# Altium PCB 1CH_MtDrv_R01_V1-0924.PcbDoc
Units mm, origin at the board's own origin, x right, y up, seen from the top; angles counter-clockwise.
Board outline 92.84 x 52.32 mm, 4 copper layers (Top Layer, Layer 1, Layer 2, Bottom Layer), stack 0.603 mm thick; 91 components, 68 nets, 291 pads, 778 vias.
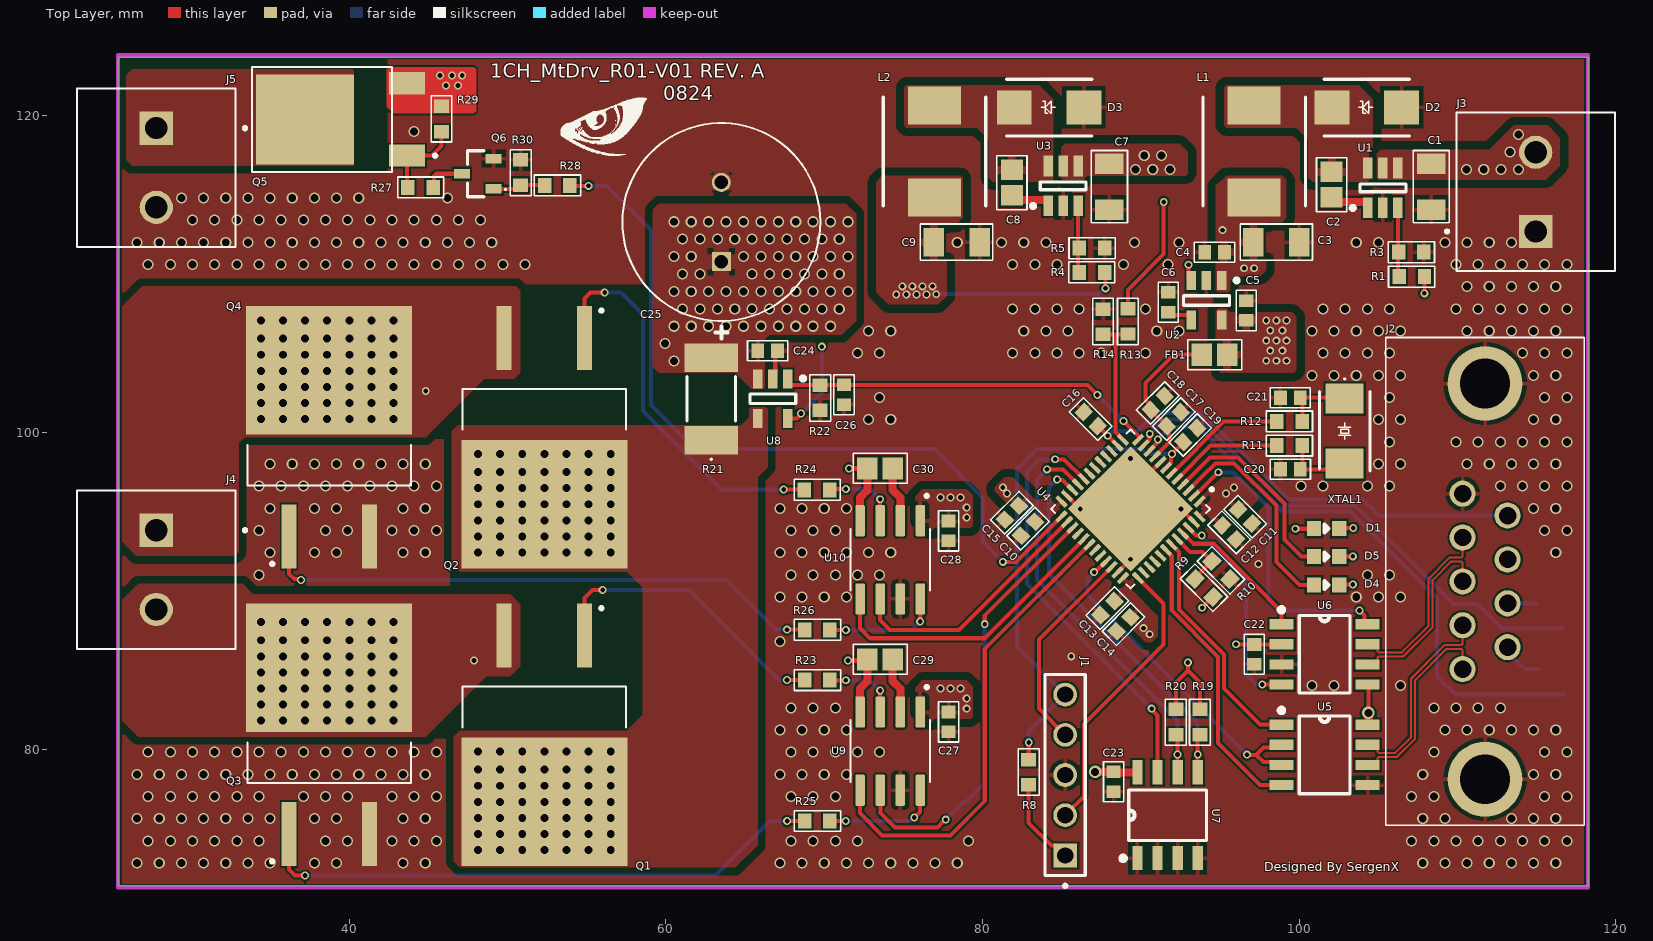
[diagram p0: Top Layer view]
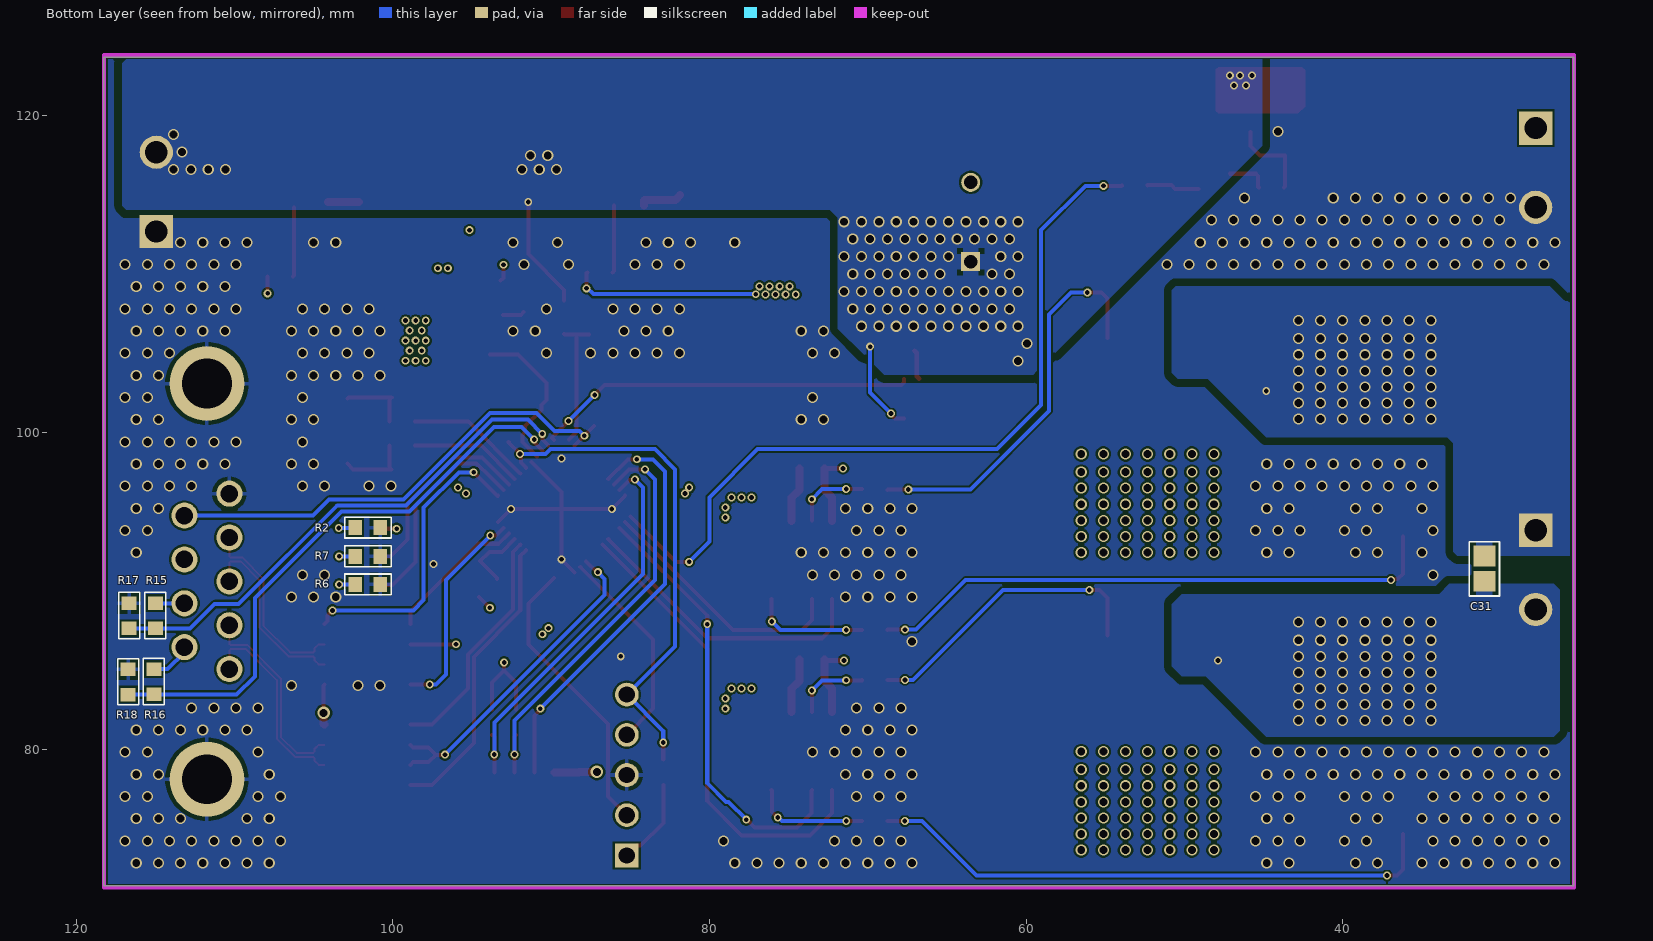
[diagram p1: Bottom Layer view, seen from below]
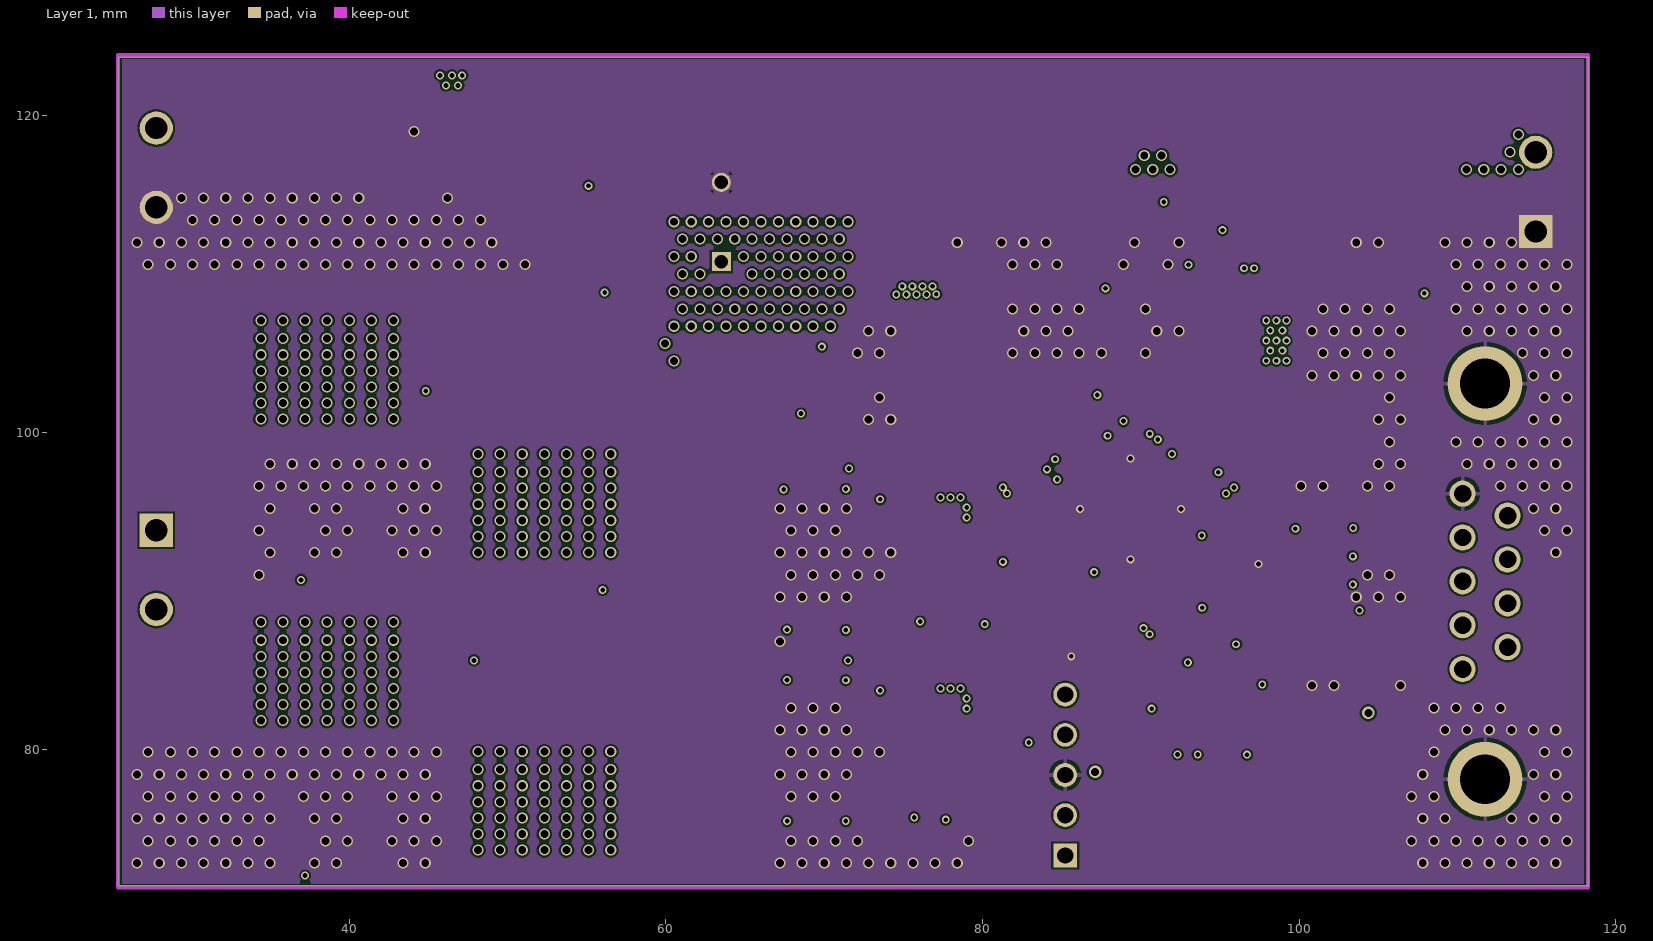
[diagram p2: Layer 1]
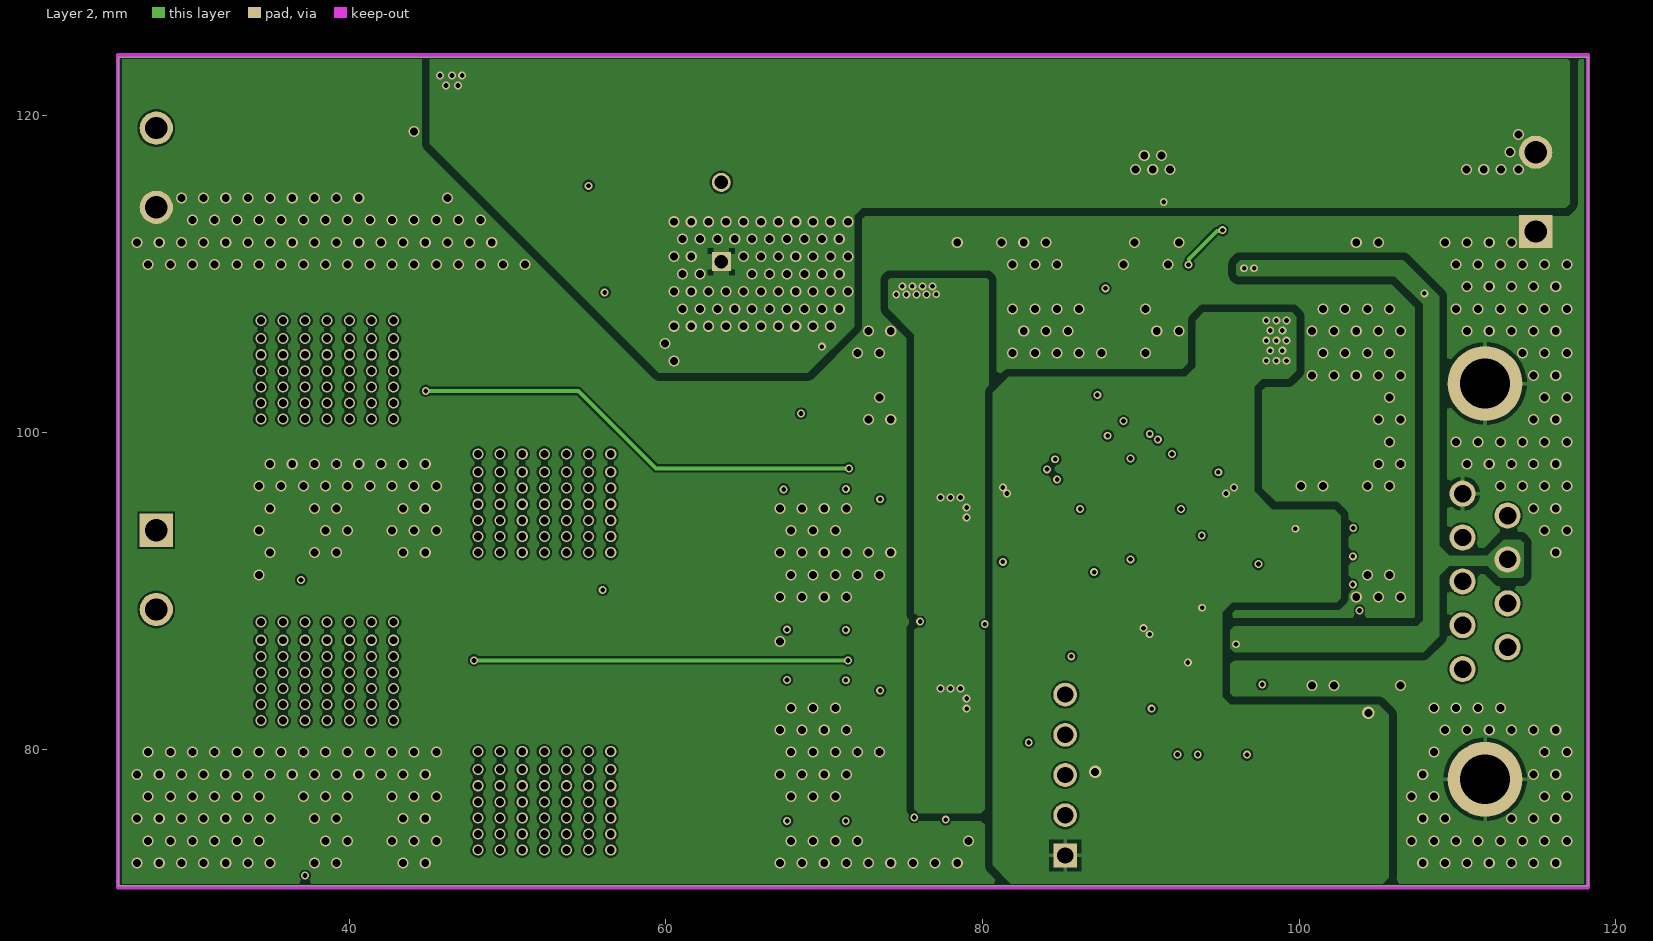
[diagram p3: Layer 2]
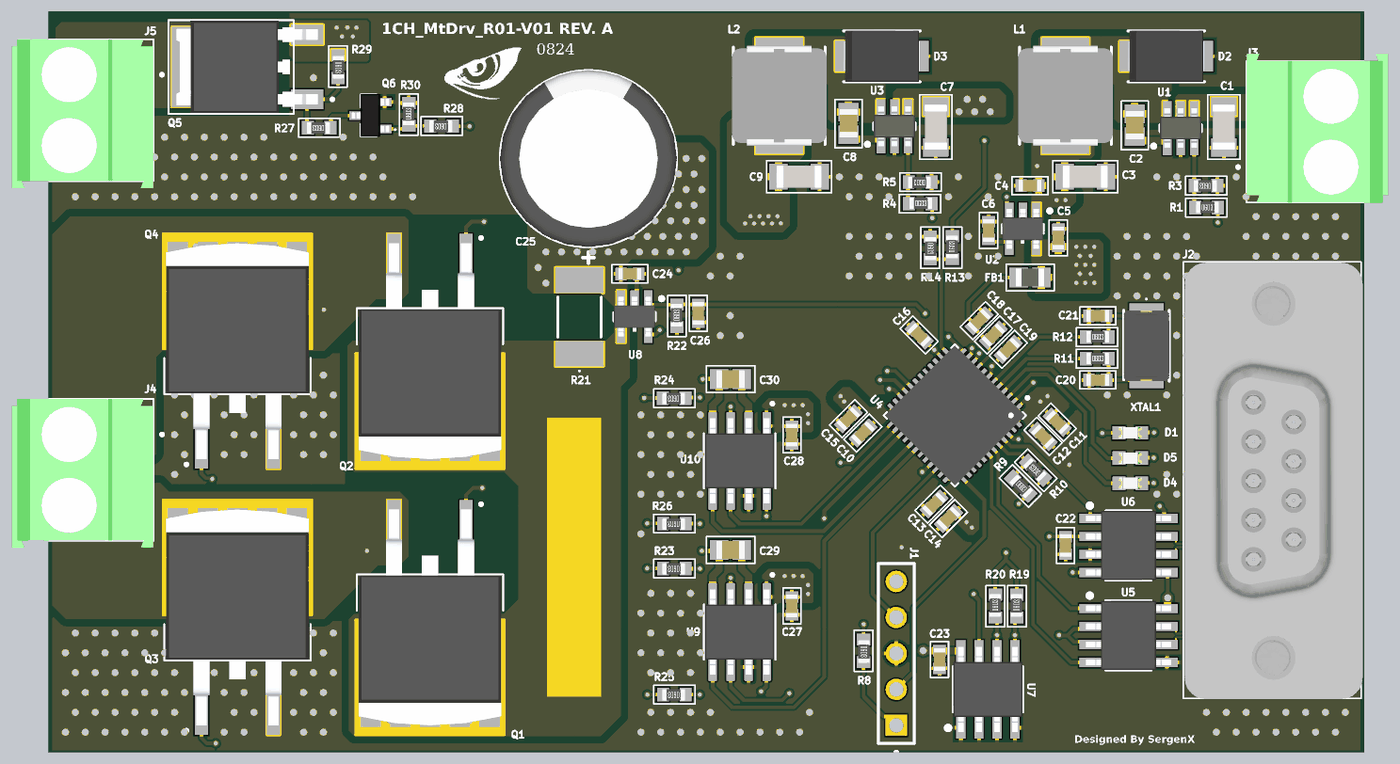
[diagram p4: 3D render of the assembled board from above, using the file's embedded part models]
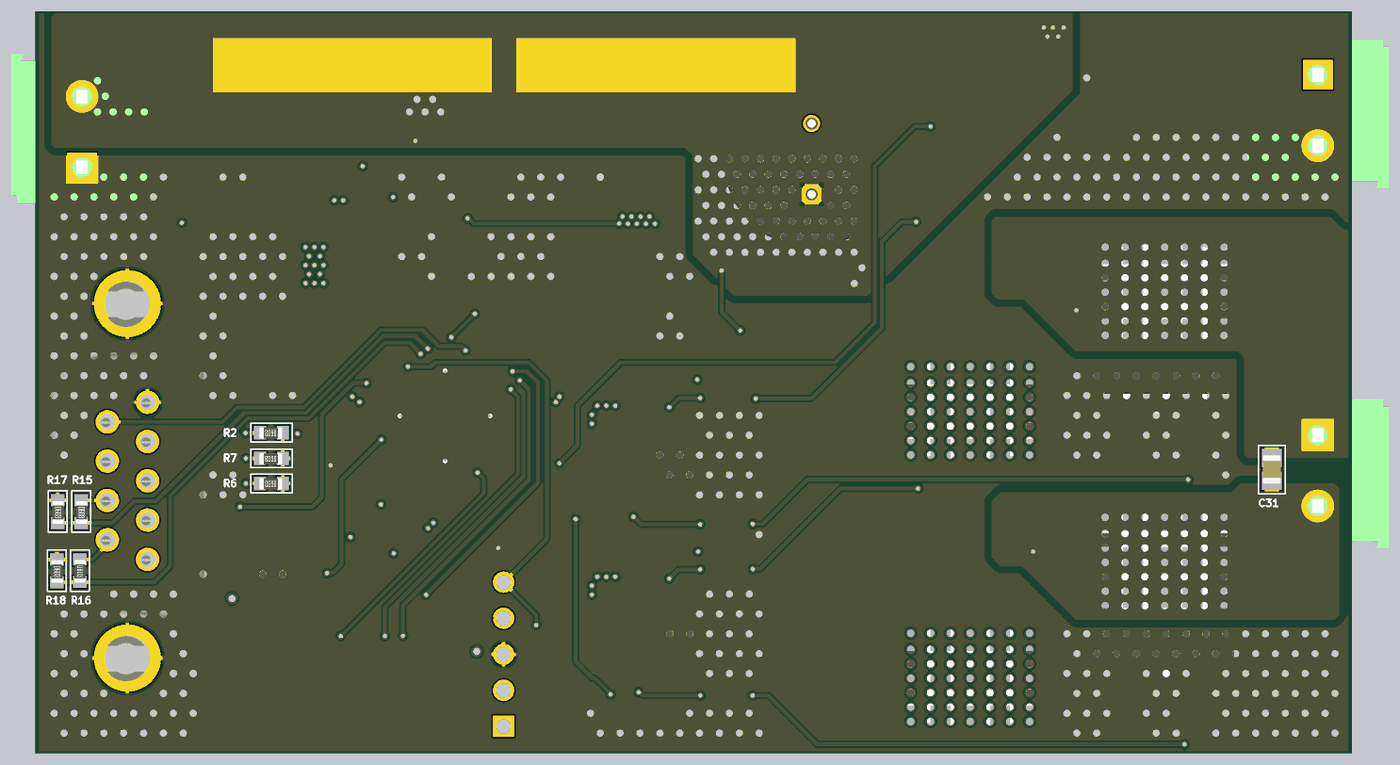
[diagram p5: 3D render of the assembled board from below, using the file's embedded part models]

## Layer stack, top to bottom
Top Solder: solder mask 0.0102, Solder Resist, Dk 3.5
Top Layer: signal copper 0.0356
Dielectric 2: prepreg 0.0711, PP-006, Dk 4.1
Layer 1: signal copper 0.035
Dielectric 1: dielectric 0.32, FR-4, Dk 4.8
Layer 2: signal copper 0.035
Dielectric 3: prepreg 0.0711, PP-006, Dk 4.1
Bottom Layer: signal copper 0.0356
Bottom Solder: solder mask 0.0102, Solder Resist, Dk 3.5

## Board outline
25.4,71.374 25.4,123.698 118.237,123.698 118.237,71.374

## Design rules (kind name [scope] priority, off if disabled: settings)
Clearance [All] p1: gap=0.127 ignorepadtopadclearanceinfootprint=FALSE except(0.508: Poly-Poly)
DiffPairsRouting [All] p1: maxlimit=0.127 minlimit=0.127 mostfreqgap=0.127 toplayer_minwidth=0.127 toplayer_maxwidth=0.127 toplayer_prefwidth=0.127 midlayer1_minwidth=0.057 midlayer1_maxwidth=0.057 midlayer1_prefwidth=0.057 midlayer2_minwidth=0.057 midlayer2_maxwidth=0.057 midlayer2_prefwidth=0.057 bottomlayer_minwidth=0.127 bottomlayer_maxwidth=0.127 bottomlayer_prefwidth=0.127 impedanceprofiledriven=TRUE impedanceprofileid={3A59F56B-0B61-40A3-A006-D7EEE08681E8} impedanceprofilevalue=90.000000 maxuncoupledlength=12.7
HoleSize [All] p1: absolutevalues=TRUE maxlimit=6.3 minlimit=0.3 maxpercent=80.000 minpercent=20.000
HoleToHoleClearance [All] p1: gap=0.127 allowstackedmicrovias=TRUE
MinimumSolderMaskSliver [All] p1: minsoldermaskwidth=0.01
PlaneClearance [InNet('GND')] p1: clearance=0.508
PolygonConnect [All] p1: connectstyle=Relief reliefconductorwidth=0.254 reliefentries=4 polygonreliefangle="90 Angle" airgapwidth=0.254
RoutingVias [All] p1: holewidth=0.3 width=0.5 viastyle="Through Hole" minholewidth=0.3 minwidth=0.5 maxholewidth=6.3 maxwidth=6.3
SilkToSilkClearance [All] p1: silktosilkclearance=0.15
SilkToSolderMaskClearance [IsPad] p1: minsilkscreentomaskgap=0.01 clearancetoexposedcopper=TRUE
SolderMaskExpansion [All] p1: expansion=0.102 istentingtop=FALSE
SupplyNets "Schematic Supply Nets_4" [InNet('GND')] p1: voltage=0.000
SupplyNets "Schematic Supply Nets_3" [InNet('+3v3')] p2: voltage=0.000
SupplyNets "Schematic Supply Nets_2" [InNet('+12V')] p3: voltage=0.000
SupplyNets "Schematic Supply Nets_1" [InNet('+VBUS')] p4: voltage=0.000
SupplyNets "Schematic Supply Nets" [InNet('+5V')] p5: voltage=0.000
Width [All] p1: maxlimit=6 minlimit=0.127 preferedwidth=0.254 toplayer_prefwidth=0.127 midlayer1_minwidth=0.254 midlayer1_maxwidth=0.254 midlayer2_minwidth=0.254 midlayer2_maxwidth=0.254 bottomlayer_prefwidth=0.127 minimp=50.000000 maximp=50.000000 favimp=50.000000
23 further rules are at their usual default settings.

## Classes and differential pairs
differential pair class RS485_DIFF: RS485
differential pair class CAN_DIFF: CAN
component class "Power Regulators": C1 C2 C3 C4 C5 C6 C7 C8 C9 D1 D2 D3 L1 L2 R1 R2 R3 R4 R5 U1 U2 U3
component class "Motor Drivers": C24 C25 C26 C27 C28 C29 C30 C31 J3 J4 J5 Q1 Q2 Q3 Q4 Q5 Q6 R21 R22 R23 R24 R25 R26 R27 R28 R29 R30 U8 U9 U10
component class "MCU Peripherals": C22 C23 J2 R13 R14 R15 R16 R17 R18 R19 R20 U5 U6 U7
component class "MCU And Peripherals": C10 C11 C12 C13 C14 C15 C16 C17 C18 C19 C20 C21 D4 D5 FB1 J1 R6 R7 R8 R9 R10 R11 R12 U4 XTAL1
differential pair RS485: +RS485_P -RS485_N
differential pair CAN: +CAN_P -CAN_N

## Components (designator, comment, footprint, x,y, rotation, side; value= is the part's Value field where it differs from the comment)
C1 "4.7 µF 50V" 1206_10uF 108.331,115.517 r270 top
C2 "0.1µF" 0805 101.981,115.57 r90 top
C3 "10µF 50V" 1206_10uF 98.552,112.014 r0 top
C4 "1µF" 0603_Footprint 94.649,111.379 r180 top
C5 "1µF" 0603_Footprint 96.647,107.696 r90 top
C6 "10nF" 0603_Footprint 91.728,108.214 r90 top
C7 "4.7 µF 50V" 1206_10uF 88.011,115.517 r270 top
C8 "0.1µF" 0805 81.788,115.697 r90 top
C9 "10µF 50V" 1206_10uF 78.359,112.014 r0 top
C10 "0.1µF" 0603_Footprint 82.867,93.916 r225 top
C11 "0.1µF" 0603_Footprint 96.581,94.681 r315 top
C12 "0.1µF" 0603_Footprint 95.574,93.679 r315 top
C13 "0.1µF" 0603_Footprint 87.884,88.9 r225 top
C14 "4.7µF" 0603_Footprint 88.9,87.884 r225 top
C15 "4.7µF" 0603_Footprint 81.849,94.923 r225 top
C16 "0.1µF" 0603_Footprint 86.827,100.838 r135 top
C17 "10nF" 0603_Footprint 92.075,100.838 r45 top
C18 "1µF" 0603_Footprint 91.059,101.854 r45 top
C19 "0.1µF" 0603_Footprint 93.116,99.831 r225 top
C20 "18pF" 0603_Footprint 99.441,97.663 r180 top
C21 "18pF" 0603_Footprint 99.438,102.191 r180 top
C22 "0.1µF" 0603_Footprint 97.155,85.979 r270 top
C23 "0.1µF" 0603_Footprint 88.271,77.93 r270 top
C24 "0.1µF" 0603_Footprint 66.421,105.156 r0 top
C25 "1000 µF 50V" CAPPRD500W60D1250H2500 63.5,113.284 r90 top
C26 "0.1µF" 0603_Footprint 71.247,102.372 r90 top
C27 "1µF" 0603_Footprint 77.851,81.71 r90 top
C28 "1µF" 0603_Footprint 77.851,93.775 r90 top
C29 "2.2µF" 0805 73.599,85.598 r180 top
C30 "2.2µF" 0805 73.599,97.663 r180 top
C31 "0.22µF" 0805 31.115,91.313 r90 bottom
D1 "LTST-C190TGKT" LEDC1608X80N 101.727,93.926 r180 top
D2 "SS26-E3_52T" DIOM5436X244N 104.267,120.523 r0 top
D3 "SS26-E3_52T" DIOM5436X244N 84.201,120.523 r0 top
D4 "LTST-C190TGKT" LEDC1608X80N 101.727,90.37 r180 top
D5 "LTST-C190TGKT" LEDC1608X80N 101.727,92.148 r180 top
FB1 "LCB2012-152Y-N" Inductor-0805 94.653,104.902 r0 top
J1 "5 Pin 2.54mm Header" 5PIN_254MM 85.217,78.359 r270 top
J2 "L77SDEH09SOL2RM5" L77SDEH09SOL2RM5 110.317,96.127 r90 top
J3 "282856-2" TE_282856-2#1 114.935,115.189 r90 top
J4 "282856-2" TE_282856-2#1 27.813,91.313 r270 top
J5 "282856-2" TE_282856-2#2 27.813,116.713 r270 top
L1 "IHLP2525CZER220M8A" INDPM6965X300N 97.155,117.729 r270 top
L2 "IHLP2525CZER220M8A" INDPM6965X300N 76.962,117.729 r270 top
Q1 "SQM110N05-06L_GE3" DPAK254P1524X457-3N 52.324,80.894 r270 top
Q2 "SQM110N05-06L_GE3" DPAK254P1524X457-3N 52.324,99.69 r270 top
Q3 "SQM110N05-06L_GE3" DPAK254P1524X457-3N 38.735,80.899 r90 top
Q4 "SQM110N05-06L_GE3" DPAK254P1524X457-3N 38.735,99.695 r90 top
Q5 "SUD50P04-08-GE3" TO-252 37.169,119.761 r90 top
Q6 "BC817-40,215" BC81740215 48.117,116.332 r90 top
R1 "49.9 kOhms" 0603_RES 107.16,109.855 r0 top
R2 "330 Ohms" 0603_RES 101.632,93.962 r0 bottom
R3 "9.53 kOhms" 0603_RES 107.021,111.356 r180 top
R4 "47 kOhms" 0603_RES 86.956,110.132 r0 top
R5 "3.3 kOhms" 0603_RES 86.856,111.61 r180 top
R6 "330 Ohms" 0603_RES 101.632,90.37 r0 bottom
R7 "330 Ohms" 0603_RES 101.632,92.148 r0 bottom
R8 "4.7 kOhms" 0603_RES 82.931,78.486 r270 top
R9 "0 Ohms" 0603_RES 94.044,90.151 r315 top
R10 "0 Ohms" 0603_RES 94.996,91.313 r135 top
R11 "0 Ohms" 0603_RES 99.441,99.187 r0 top
R12 "1 kOhms" 0603_RES 99.441,100.711 r0 top
R13 "100 kOhms" 0603_RES 89.154,107.061 r90 top
R14 "12.1 kOhms" 0603_RES 87.63,106.934 r270 top
R15 "51 kOhms" 0603_RES 114.975,88.364 r270 bottom
R16 "51 kOhms" 0603_RES 115.062,84.201 r270 bottom
R17 "100 kOhms" 0603_RES 116.626,88.364 r270 bottom
R18 "100 kOhms" 0603_RES 116.69,84.189 r270 bottom
R19 "10 kOhms" 0603_RES 93.703,81.749 r90 top
R20 "10 kOhms" 0603_RES 92.179,81.749 r90 top
R21 "BVT-I-R003-1.0" BVTIR00310 62.865,102.108 r90 top
R22 "54.9 kOhms" 0603_RES 69.723,102.235 r90 top
R23 "47 Ohms" 0603_RES 69.509,84.328 r180 top
R24 "47 Ohms" 0603_RES 69.5,96.346 r180 top
R25 "47 Ohms" 0603_RES 69.509,75.428 r180 top
R26 "47 Ohms" 0603_RES 69.509,87.503 r180 top
R27 "100 Ohms" 0603_RES 44.45,115.443 r180 top
R28 "330 Ohms" 0603_RES 53.086,115.57 r180 top
R29 "10 kOhms" 0603_RES 45.85,119.734 r270 top
R30 "10 kOhms" 0603_RES 50.8,116.459 r90 top
U1 "AOZ1282CI" SOT95P280X125-6N 105.283,115.443 r90 top
U2 "LD3985M33R" SOT95P280X145-5N 94.141,108.331 r270 top
U3 "AOZ1282CI" SOT95P280X125-6N 85.09,115.57 r90 top
U4 "STM32F042C6U6" QFN50P700X700X60-49N 89.346,95.16 r225 top
U5 "SN65HVD10DR" SOIC127P600X175-8N 101.6,79.629 r0 top
U6 "MCP2558FDT-H_SN" SOIC127P600X175-8N 101.6,85.979 r0 top
U7 "M24C01-WMN6TP" SOIC127P600X175-8N 91.683,75.819 r90 top
U8 "INA139NA_3K" SOT95P280X145-5N 66.755,102.131 r270 top
U9 "UCC27201ADR" SOIC127P599X175-8N 74.168,79.867 r270 top
U10 "UCC27201ADR" SOIC127P599X175-8N 74.168,91.948 r270 top
XTAL1 "ABM3-8.000MHZ-D2Y-T" ABM3 102.87,100.076 r270 top

## Footprints (in the part's own frame and the unit in brackets; to place one, negate y for a bottom-side part, rotate by r counter-clockwise, add the part's x,y. Pads: shape width x height; smd on the part's side, far side on the other; paste and mask are expansions set on the pad)
5PIN_254MM [mm]
  rect 1.5x1.5 hole 1.02: 01(5.08,0)
  round 1.5 hole 1.02: 02(2.54,0) 03(0,0) 04(-2.54,0) 05(-5.08,0)
  silkscreen extent -6.35,-1.27 7.1,1.27
0603_Footprint [mm]
  rect 0.8x0.9 smd: 1(-0.625,0) 2(0.625,0)
  silkscreen extent -1.27,-0.64 1.27,0.64, body extent -0.8,-0.41 0.8,0.41, height 0.82
0603_RES [mm]
  rect 0.85x0.95 smd: 1(-0.85,-0.023) 2(0.75,-0.023)
  silkscreen extent -1.52,-0.68 1.4,0.64, body extent -0.8,-0.4 0.8,0.4, height 0.45
0805 [mm]
  rect 1.3x1.4 smd: 1(-0.721,-0.06) 2(0.879,-0.06)
  silkscreen extent -1.65,-1.02 1.78,0.89, body extent -0.92,-0.7 1.08,0.58, height 1.26
1206_10uF [mm]
  rect 1.3x1.8 smd: 1(-1.45,0) 2(1.45,0)
  silkscreen extent -2.29,-1.14 2.29,1.14, body extent -1.6,-0.8 1.6,0.8, height 0.8
ABM3 [mm]
  rect 1.9x2.4 smd: 1(-2.05,0) 2(2.05,0)
  silkscreen extent -3.35,-1.6 2.5,1.6, body extent -2.5,-1.6 2.5,1.6, height 1.3
BC81740215 [mm]
  rect 0.6x1 smd: 1(-0.95,-1) 2(0.95,-1) 3(0,1)
  silkscreen extent -1.45,-1.8 1.45,0.65, body extent -1.5,-1.32 1.5,1.32, height 1.08
BVTIR00310 [mm]
  rect 1.8x3.4 smd: 1(-2.6,0) 2(2.6,0)
  silkscreen extent -3.86,-1.53 1.4,1.53
CAPPRD500W60D1250H2500 [mm]
  round 1.2 hole 0.85: N(2.5,0)
  rect 1.2x1.2 hole 0.85: P(-2.5,0)
  silkscreen extent -7.37,-6.25 6.25,6.25, body extent -6.25,-6.24 6.25,6.24, height 25
DIOM5436X244N [mm]
  rect 2.2x2.15 smd: 1(-2.2,0) 2(2.2,0)
  silkscreen extent -2.7,-1.81 2.7,1.78, body extent -2.7,-1.81 2.7,1.81, height 2.44
DPAK254P1524X457-3N [mm]
  rect 4.05x0.94 smd: 1(-6.27,2.54) 3(-6.27,-2.54)
  rect 8.12x10.48 smd paste-6: 2(4.23,0)
  silkscreen extent -8.1,-5.16 -0.48,5.16, body extent -7.63,-5.03 7.61,5.03, height 4.83
INDPM6965X300N [mm]
  rect 2.4x3.35 smd: 1(-2.9,0) 2(2.9,0)
  silkscreen extent -3.43,-3.23 3.43,3.23, body extent -3.54,-3.33 3.53,3.34, height 2.89
Inductor-0805 [mm]
  rect 1.3x1.4 smd: 1(-0.8,0) 2(0.8,0)
  silkscreen extent -1.69,-0.95 1.71,0.94, body extent -1,-0.64 1,0.64, height 1.26
L77SDEH09SOL2RM5 [mm]
  round 1.65 hole 1.1: 1(0,0) 2(-2.77,0) 3(-5.54,0) 4(-8.31,0) 5(-11.08,0) 6(-1.385,-2.84) 7(-4.155,-2.84) 8(-6.925,-2.84) 9(-9.695,-2.84)
  round 4.725 hole 3.15: MH1(6.955,-1.42) MH2(-18.035,-1.42)
  silkscreen extent -20.95,-7.7 9.86,4.85, body extent -20.99,-7.8 9.82,4.75, height 12.28
LEDC1608X80N [mm]
  rect 0.9x0.95 smd: 1(-0.8,0) 2(0.8,0)
  silkscreen extent -0.13,-0.25 0.13,0.25, body extent -0.8,-0.4 0.8,0.4, height 0.7
QFN50P700X700X60-49N [mm]
  rrect25% 0.87x0.27 smd: 1(-3.43,2.75) 2(-3.43,2.25) 3(-3.43,1.75) 4(-3.43,1.25) 5(-3.43,0.75) 6(-3.43,0.25) 7(-3.43,-0.25) 8(-3.43,-0.75) 9(-3.43,-1.25) 10(-3.43,-1.75) 11(-3.43,-2.25) 12(-3.43,-2.75) 25(3.43,-2.75) 26(3.43,-2.25) 27(3.43,-1.75) 28(3.43,-1.25) 29(3.43,-0.75) 30(3.43,-0.25) 31(3.43,0.25) 32(3.43,0.75) 33(3.43,1.25) 34(3.43,1.75) 35(3.43,2.25) 36(3.43,2.75)
  rrect25% 0.27x0.87 smd: 13(-2.75,-3.43) 14(-2.25,-3.43) 15(-1.75,-3.43) 16(-1.25,-3.43) 17(-0.75,-3.43) 18(-0.25,-3.43) 19(0.25,-3.43) 20(0.75,-3.43) 21(1.25,-3.43) 22(1.75,-3.43) 23(2.25,-3.43) 24(2.75,-3.43) 37(2.75,3.43) 38(2.25,3.43) 39(1.75,3.43) 40(1.25,3.43) 41(0.75,3.43) 42(0.25,3.43) 43(-0.25,3.43) 44(-0.75,3.43) 45(-1.25,3.43) 46(-1.75,3.43) 47(-2.25,3.43) 48(-2.75,3.43)
  rect 5.6x5.6 smd paste-4: 49(0,0)
  silkscreen extent -4.6,-3.55 3.55,3.55, body extent -3.5,-3.5 3.5,3.5, height 0.6
SOIC127P599X175-8N [mm]
  rrect25% 1.97x0.6 smd: 1(-2.47,1.905) 2(-2.47,0.635) 3(-2.47,-0.635) 4(-2.47,-1.905) 5(2.47,-1.905) 6(2.47,-0.635) 7(2.47,0.635) 8(2.47,1.905)
  silkscreen extent -4.14,-2.52 1.95,2.52, body extent -3,-2.45 3,2.45, height 1.75
SOIC127P600X175-8N [mm]
  rect 1.525x0.65 smd: 1(-2.712,1.905) 2(-2.712,0.635) 3(-2.712,-0.635) 4(-2.712,-1.905) 5(2.712,-1.905) 6(2.712,-0.635) 7(2.712,0.635) 8(2.712,1.905)
  silkscreen extent -2.82,-2.45 1.6,2.91, body extent -3,-2.45 3,2.45, height 1.75
SOT95P280X125-6N [mm]
  rect 1.3x0.6 smd: 1(-1.25,0.95) 2(-1.25,0) 3(-1.25,-0.95) 4(1.25,-0.95) 5(1.25,0) 6(1.25,0.95)
  silkscreen extent -1.4,-1.45 0.25,2.03, body extent -1.4,-1.45 1.4,1.45, height 1.25
SOT95P280X145-5N [mm]
  rect 1.2x0.6 smd: 1(-1.25,0.95) 2(-1.25,0) 3(-1.25,-0.95) 4(1.25,-0.95) 5(1.25,0.95)
  silkscreen extent -1.4,-1.45 0.3,2.03, body extent -1.4,-1.45 1.4,1.45, height 1.2
TE_282856-2#1 [mm]
  rect 2.1x2.1 hole 1.4: 1(-2.5,0)
  round 2.1 hole 1.4: 2(2.5,0)
  silkscreen extent -5,-5 5,5.7, body extent -5,-5 5.5,5, height 19
TE_282856-2#2 [mm]
  rect 2.1x2.1 / inner round 2.1 / far side rect 2.1x2.1 hole 1.4: 1(-2.5,0)
  round 2.1 hole 1.4: 2(2.5,0)
  silkscreen extent -5,-5 5,5.7, body extent -5,-5 5.5,5, height 19
TO-252 [mil]
  rect 55x90 smd: 1(-90,-255) 3(90,-255)
  rect 224.02x243.31 smd: 2(0,-1.65)
  silkscreen extent -131,-329 130,130, body extent -128,-285 128,108, height 98
